# Altium PCB ALCT_MEZ_SPARTAN6T.PcbDoc (part 3 of 12)
Units mil, origin at the board's own origin, x right, y up, seen from the top; angles counter-clockwise.
Board outline 4100 x 5351.19 mil, 12 copper layers (Top Layer, Mid-Layer 1, +3V3, Mid-Layer 2, +1V2, Mid-Layer 4, +1V8, Mid-Layer 5, GND1, Mid-Layer 7, GND2, Bottom Layer), stack 64.7 mil thick; 320 components, 598 nets, 2316 pads, 1572 vias.
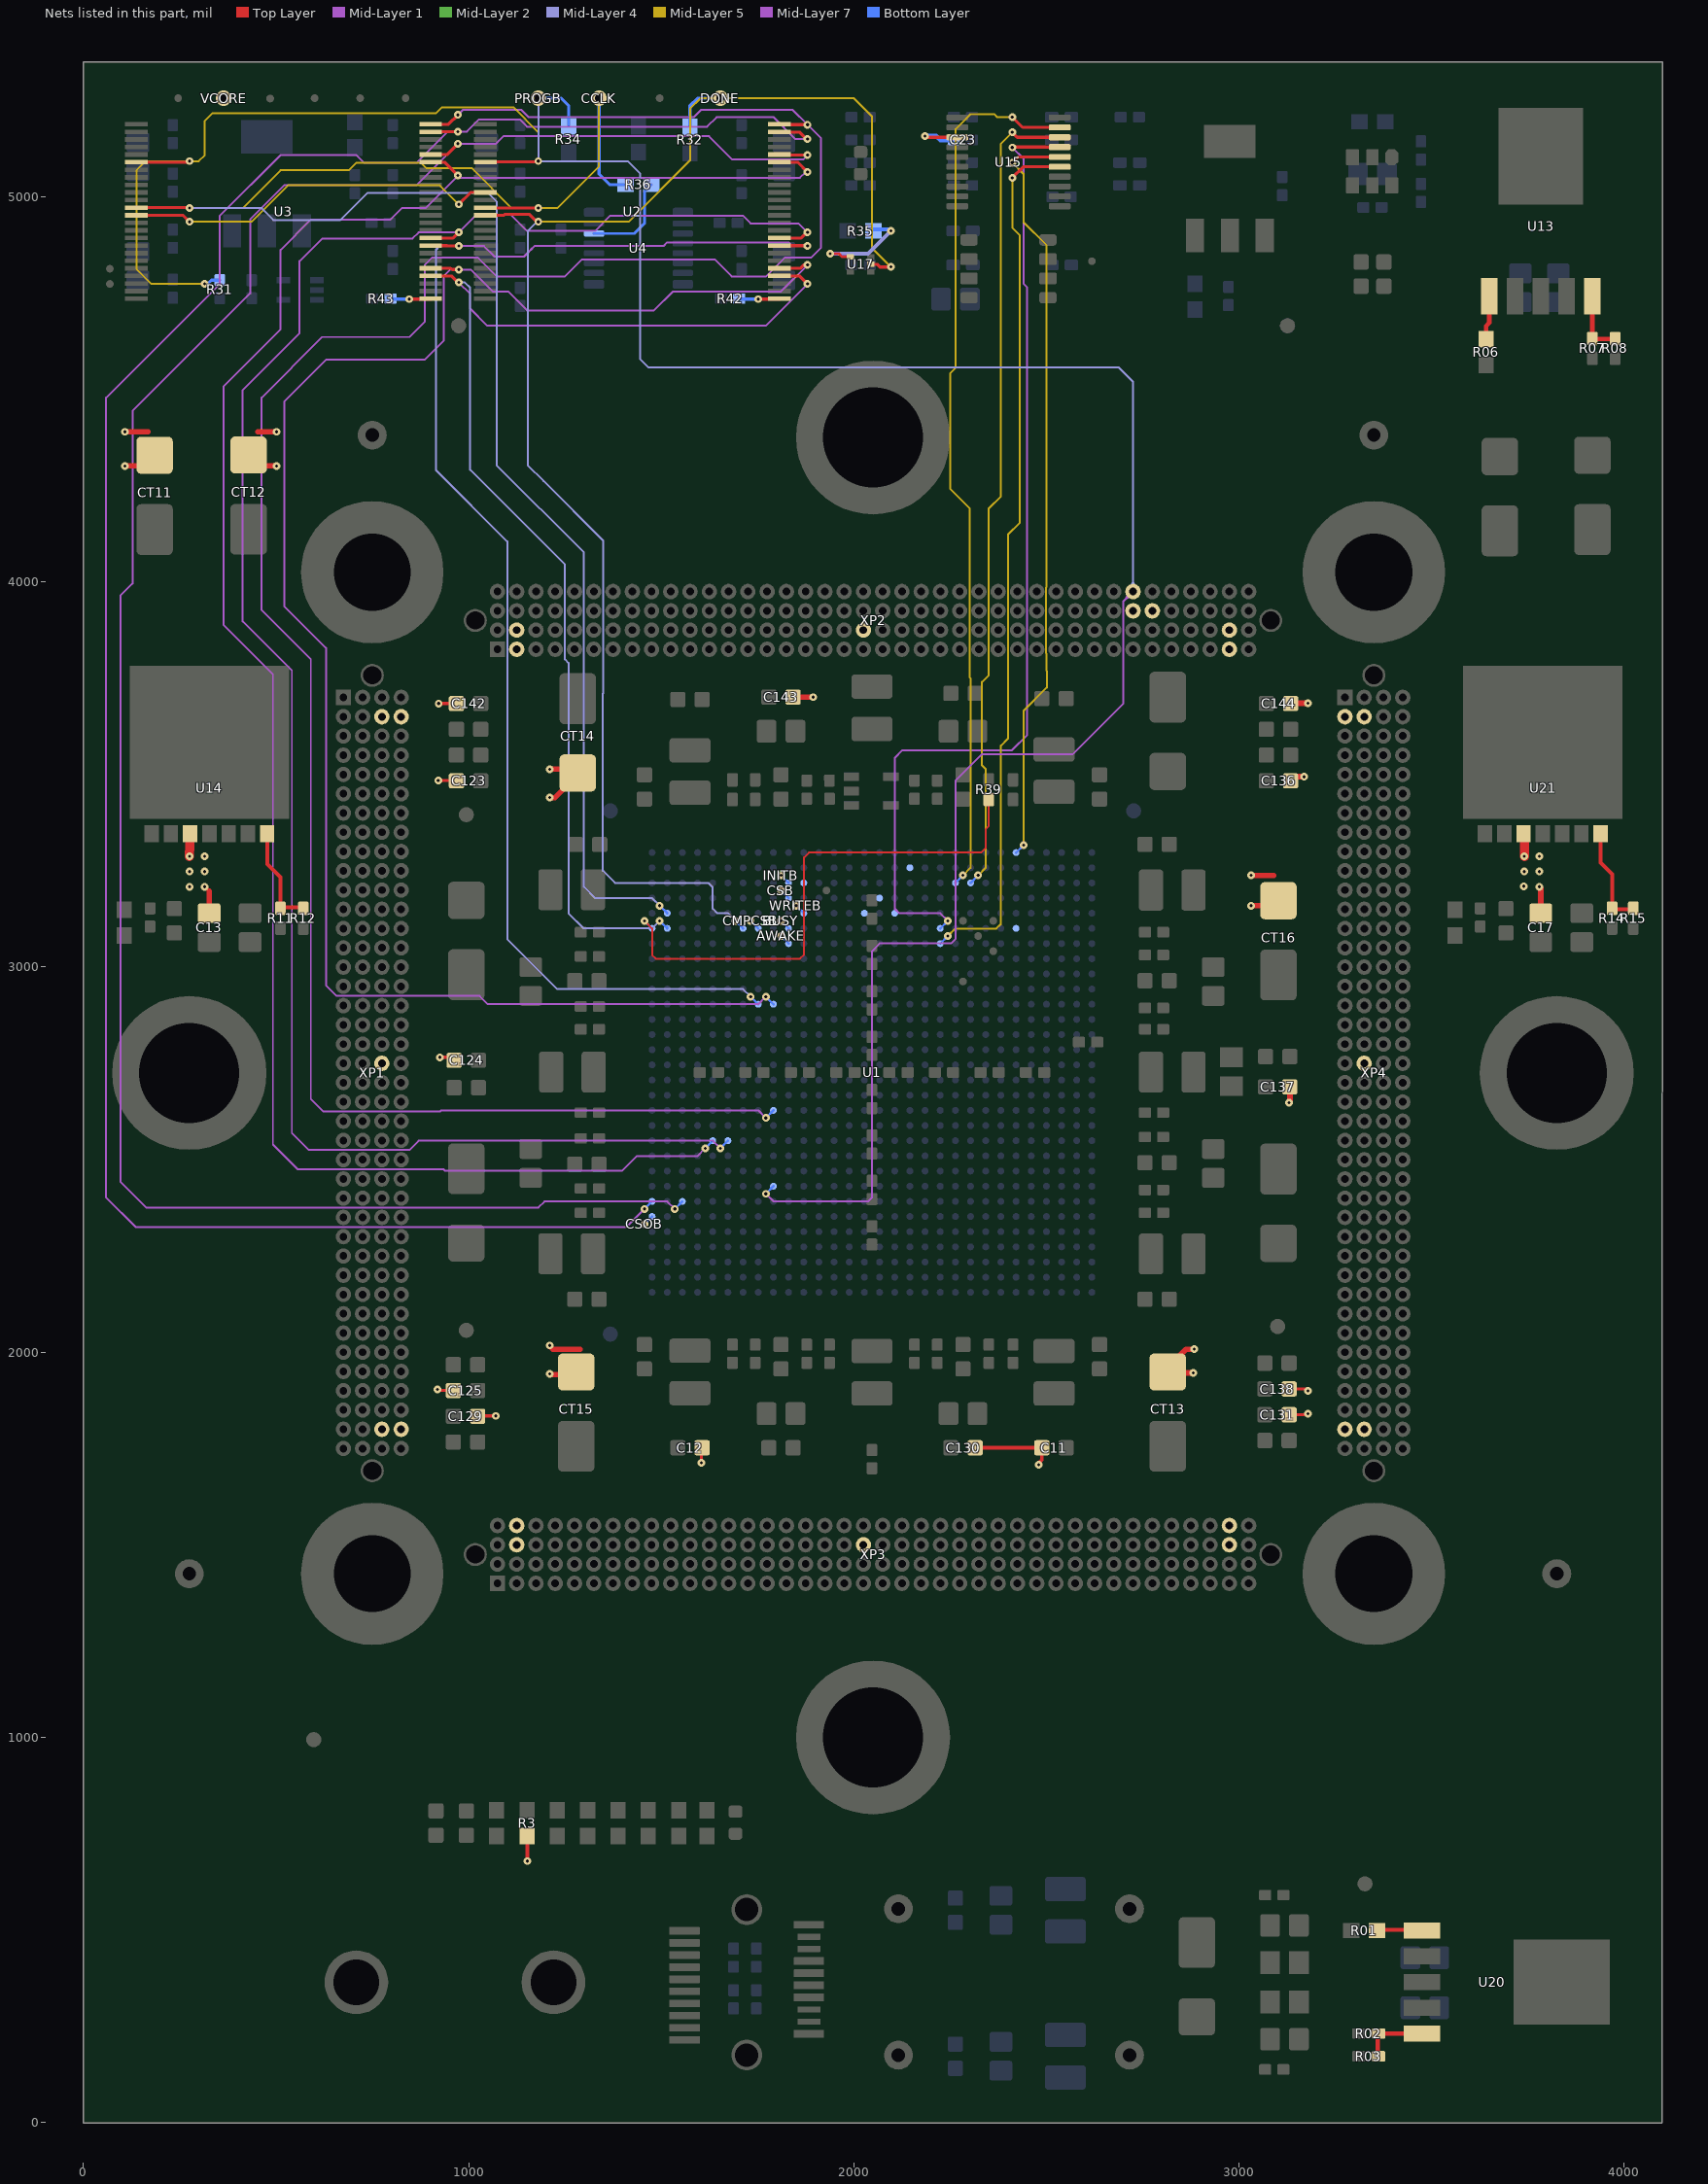
[diagram p13: the nets of this part, all layers, seen from the top]

## Via types
v1: diameter 20, hole 8, Top Layer to Bottom Layer, tented both sides, 1562 vias
v2: diameter 40, hole 20, Top Layer to Bottom Layer, 6 vias
v3: diameter 40, hole 20, Top Layer to Bottom Layer, tented both sides, 4 vias

## Nets (pads, with @x,y where several pads share a name; then routed paths per layer and width w, separated by ;. In a path a pad name is that pad's centre, name@x,y a point inside that pad or via, vN(x,y) a via of type N, cw(c..) or ccw(c..) an arc to the next point about the centre after c; other vN are vias at no path point) (continued)
+VCORE: C11.1 C12.1 C13.1 C17.1 C23.1 C123.1 C124.1 C125.1 C129.1 C130.1 C131.1 C136.1 C137.1 C138.1 C142.1 C143.1 C144.1 CT11.1 CT12.1 CT13.1 CT14.1 CT15.1 CT16.1 R3.1 U14.3 U15.3 U21.3 VCORE.1 XP1.C2 XP1.C20 XP1.C39 XP1.D2 XP1.D39 XP2.A2 XP2.A39 XP2.B2 XP2.B20 XP2.B39 XP3.C2 XP3.C20 XP3.C39 XP3.D2 XP3.D39 XP4.A2 XP4.A39 XP4.B2 XP4.B20 XP4.B39 | length 2156.9
  Top Layer w8: v1(919.29,1903.54) 922.05,1900.79 C125.1@960.63,1900.79 ; v1(921.26,3484.25) 967.72,3484.25 C123.1@968.5,3483.46 ; v1(922.44,3684.25) C142.1@968.5,3684.25 ; v1(925.2,2765.75) 961.42,2765.75 C124.1@968.5,2758.66 ; C129.1@1023.62,1833.86 1024.41,1834.65 v1(1070.87,1834.65) ; v1(1604.33,1712.6) 1604.33,1750 C12.1@1606.3,1751.97 ; v1(2185.04,5157.48) 2187.99,5154.53 U15.3@2268.7,5154.53 ; C131.1@3129.92,1837.8 3176.38,1837.8 v1(3179.13,1840.55) ; C138.1@3129.92,1904.72 3174.02,1904.72 v1(3179.13,1899.61) ; C144.1@3133.86,3684.25 v1@3178.35,3684.25
  Top Layer w10: v1(314.96,3208.66) 326.77,3196.85 ; v1(1152.36,678.98) R3.1@1152.36,734.09 ; C130.1@2314.96,1751.97 C11.1@2488.19,1751.97 2488.19,1720.47 2480.32,1712.6 v1(2480.32,1707.68) ; v1(3779.53,3208.66) v1@3783.46,3204.72
  Top Layer w12: CT11.1@157.48,4301.18 CT11.1@185.04,4328.74 ; CT12.1@429.13,4329.53 CT12.1@457.48,4301.18
  Top Layer w14: v1(108.27,4301.18) CT11.1@157.48,4301.18 ; v1(108.27,4389.76) 167.32,4389.76 ; 452.76,4389.76 v1(501.97,4389.76) ; CT12.1@457.48,4301.18 v1(501.97,4301.18) ; v1@1210.63,1941.44 1269,1941.44 CT15.1@1283.46,1955.91 ; v1(1210.63,2017.71) 1210.63,2015.75 1218.5,2007.87 1289.37,2007.87 ; v1(1210.63,3439.96) 1224.21,3439.96 1229.13,3444.88 CT14.1@1283.46,3499.21 ; v1(1210.63,3513.78) CT14.1@1264.76,3513.78 ; CT13.1@2811.02,1955.91 2862.99,2007.87 v1(2883.86,2007.87) ; CT13.1@2857.48,1946.36 v1(2881.4,1946.36) ; v1(3031.5,3159.45) 3089.37,3159.45 CT16.1@3102.36,3172.44 ; v1(3031.5,3238.19) 3090.55,3238.19
  Top Layer w15: C13.1@326.77,3139.76 326.77,3196.85 ; C143.1@1842.52,3700.79 v1(1894.68,3700.79) ; v1(3129.92,2647.64) 3131.89,2649.61 C137.1@3131.89,2688.98 ; C136.1@3133.86,3483.46 3144.48,3494.09 v1(3169.28,3494.09) ; C144.1@3133.86,3684.25 3134.65,3685.04 v1(3179.13,3685.04) ; C17.1@3783.46,3139.76 v1@3783.46,3204.72
  Top Layer w24.02: v1(275.59,3287.4) U14.3@277.17,3346.46 U14.3@277.17,3356.3 ; v1@3740.95,3287.4 U21.3@3740.95,3346.46
  Bottom Layer w12: v1(2185.04,5157.48) 2214.57,5157.48 2224.41,5147.64 C23.1@2259.84,5147.64
  other v1: 1210.63,1943.9 275.59,3208.66 3739.37,3209.84 275.59,3248.03 314.96,3248.03 3740.16,3248.03 3779.53,3248.03 314.96,3287.4 3740.16,3287.4 3779.53,3287.4
  other v2: 364.17,5255.91
/CEO: U2.10 U3.13 | length 993.4
  Top Layer w8: U3.13@137.8,4951.97 254.72,4951.97 ; 246.06,4951.97 254.72,4951.97 ; v1(275.59,4935.04) 258.66,4951.97 254.72,4951.97 ; v1(974.41,4980.32) 1005.12,5011.02 U2.10@1043.31,5011.02
  Mid-Layer 5 w5: v1(275.59,4935.04) 437.01,4935.04 531.5,5029.53 925.2,5029.53 v1(974.41,4980.32)
/CS: CSB.1 U1.AA27 | length 27.8
  Bottom Layer w6: v1(1811.03,3198.81) U1.AA27@1830.71,3179.13
/INIT: INITB.1 U1.AA28 | length 27.8
  Bottom Layer w6: v1(1811.03,3238.19) U1.AA28@1830.71,3218.5
/PROGR: PROGB.1 R31.2 R34.2 U1.AB8 U2.6 U3.6 XP2.D34 | length 7885.2
  Top Layer w8: U3.6@137.8,5089.76 138.32,5089.24 272.31,5089.24 v1(275.59,5092.52) ; U2.6@1043.44,5089.9 U2.6@1043.31,5089.76 1043.31,5090.9 1177.21,5090.9 1178.35,5089.76 v1(1181.1,5092.52)
  Mid-Layer 1 w5: v1(1771.66,2411.41) 1791.34,2391.73 2037.4,2391.73 2047.24,2401.57 2047.24,3041.34 2067.1,3061.2 2252.17,3061.2 2263.66,3072.69 2263.66,3403.77 2263.66,3484.13 2332.49,3552.96 2568.71,3552.96 2700,3684.25 2700,3950 ; 2700,3763.93 2700,3950 ; XP2.D34@2725,3975 2700,3950 ; 2701.95,3951.95 ccw(c2678.91,3975) 2711.5,3975 cw(c2678.91,3975) 2701.96,3951.96 ; 2701.95,3951.95 cw(c2725,3928.91) 2725,3961.5 ccw(c2725,3928.91) 2701.96,3951.96 ; 2710.49,3960.49 ccw(c2695.98,3975) 2716.5,3975 cw(c2695.98,3975) 2710.49,3960.49 ; 2710.49,3960.49 cw(c2725,3945.98) 2725,3966.5 ccw(c2725,3945.98) 2710.49,3960.49
  Mid-Layer 4 w5: v3(1181.1,5255.91) v1(1181.1,5092.52) 1413.39,5092.52 1444.88,5061.02 1444.88,4578.74 1466.54,4557.09 2687.01,4557.09 2725,4519.09 XP2.D34@2725,3975 ; XP2.D34@2715.45,3984.54 ccw(c2692.41,4007.59) 2725,4007.59 ccw(c2757.59,4007.59) XP2.D34@2734.55,3984.54 ; XP2.D34@2715.45,3984.55 ccw(c2692.41,4007.6) 2725,4007.6 ccw(c2757.59,4007.6) XP2.D34@2734.55,3984.55 ; 2725,3995.52 ccw(c2745.52,3995.52) 2731.01,3981.01 cw(c2745.52,3995.52) 2725,3995.52 ; 2725,3995.52 cw(c2704.48,3995.52) 2718.99,3981.01 ccw(c2704.48,3995.52) 2725,3995.52
  Mid-Layer 5 w5: v1(314.96,4773.62) 177.17,4773.62 137.8,4812.99 137.8,5068.9 161.42,5092.52 v1(275.59,5092.52) 299.21,5092.52 314.96,5108.27 314.96,5196.85 334.65,5216.54 915.35,5216.54 930.92,5232.1 1116.33,5232.1 1181.1,5167.32 v1(1181.1,5092.52)
  Bottom Layer w6: v1(1771.66,2411.41) U1.AB8@1791.34,2431.1
  Bottom Layer w8: v1(314.96,4773.62) 322.56,4773.62 332.4,4783.46 R31.2@354.33,4783.46 ; v3(1181.1,5255.91) 1240.16,5255.91 1259.84,5236.22 R34.2@1259.84,5183.07
/WRITE: U1.Y26 WRITEB.1 | length 27.8
  Bottom Layer w6: v1(1850.39,3159.45) U1.Y26@1870.08,3139.76
A0: U1.R27
A1: U1.Y28
A2: U1.N29
A3: U1.T26
A4: U1.P26
A9: U1.F25
ADC_EOC: U1.K28 U15.19 | length 2301.9
  Top Layer w8: v1(2411.42,5206.69) 2437.99,5180.12 U15.19@2534.45,5180.12
  Mid-Layer 5 w5: 2277.56,5188.98 2264.64,5176.06 2264.64,4556.22 2250,4541.58 2250,4242.13 2300.5,4191.63 2300.5,3752.47 2302.97,3750 2302.97,3257.69 v1(2283.47,3238.19) ; 2303.28,5214.69 2364.05,5214.69 2372.05,5206.69 v1(2411.42,5206.69)
  Mid-Layer 5 w5.12: 2277.56,5188.98 2303.28,5214.69
  Bottom Layer w6: U1.K28@2263.78,3218.5 v1(2283.47,3238.19)
ADC_NCS: U1.L24 U15.15 | length 2283.5
  Top Layer w8: v1(2411.42,5049.21) 2439.96,5077.76 U15.15@2534.45,5077.76
  Mid-Layer 2 w5: v1(2244.09,3080.7) v1@2244.09,3085.2
  Mid-Layer 5 w5: v1(2244.09,3080.7) 2263.61,3100.21 2369.93,3100.21 2382.02,3112.29 2382.02,3574.91 2400.5,3593.4 2400.5,4123.07 2430.98,4153.54 ; v1(2411.42,5049.21) 2411.42,4919.56 2430.98,4900
  Mid-Layer 5 w5.12: 2430.98,4153.54 2430.98,4900
  Bottom Layer w6: U1.L24@2224.41,3061.01 v1(2244.09,3080.7)
ADC_SCK: U1.J28 U15.18 | length 2130.1
  Top Layer w8: v1(2411.42,5167.32) 2424.21,5154.53 U15.18@2534.45,5154.53
  Mid-Layer 5 w5: v1(2322.84,3238.19) 2342.52,3257.87 2342.52,3513.78 2332.68,3523.62 2332.68,3740.16 2350.5,3757.98 2350.5,4191.05 2381.89,4222.44 2381.89,5137.8 v1(2411.42,5167.32)
  Bottom Layer w6: U1.J28@2303.15,3218.5 v1(2322.84,3238.19)
ADC_SDI: U1.L25 U15.17 | length 2603.4
  Top Layer w8: v1(2411.42,5127.95) 2412.4,5128.94 U15.17@2534.45,5128.94
  Mid-Layer 7 w5: v1(2244.09,3120.06) 2224.59,3139.56 2118.3,3139.56 2106.49,3151.38 2106.49,3543.49 2125.98,3562.99 2410.63,3562.99 2450,3602.36 2450,4764.75 2441.13,4773.62 2441.13,5098.24 v1(2411.42,5127.95)
  Bottom Layer w6: U1.L25@2224.41,3100.39 v1(2244.09,3120.06)
ADC_SDO: U1.F30 U15.16 | length 1991.3
  Top Layer w8: v1(2411.42,5088.58) 2426.18,5103.35 U15.16@2534.45,5103.35
  Mid-Layer 5 w5: v1(2440.94,3316.93) 2440.94,3665.65 2501.32,3726.02 2501.32,3768.18 2499.82,3769.68 2499.82,3814.12 2499.5,3814.43 2499.5,3985.57 2500,3986.07 2500,4114.17 ; 2440.94,5059.06 2440.94,4934.06 2500,4875
  Mid-Layer 5 w5.12: v1(2411.42,5088.58) 2440.94,5059.06 ; 2500,4114.17 2500,4875
  Bottom Layer w6: U1.F30@2421.26,3297.24 v1(2440.94,3316.93)
AWAKE: AWAKE.1 U1.AA24 | length 27.8
  Bottom Layer w6: v1(1811.03,3080.7) U1.AA24@1830.71,3061.01
BUSY: BUSY.1 U1.AA25 | length 27.8
  Bottom Layer w6: v1(1811.03,3120.06) U1.AA25@1830.71,3100.39
CCLK: CCLK.1 R36.2 U1.AJ26 U2.12 U3.12 | length 4950
  Top Layer w8: U3.12@137.8,4971.65 274.41,4971.65 v1(275.59,4970.47) ; U2.12@1043.31,4970.47 v1@1177.17,4970.47
  Mid-Layer 4 w5: v1(275.59,4970.47) 462.6,4970.47 ; 439.37,4970.47 462.6,4970.47 ; 1072.83,4900.79 1072.83,4921.26 1072.83,4987.8 1050.97,5009.66 737.22,5009.66 667.32,4939.76 493.31,4939.76 462.6,4970.47 ; 1299.21,3395.67 1299.21,3208.66 1328.74,3179.13 1476.38,3179.13 v1(1496.06,3159.45)
  Mid-Layer 4 w5.12: 1072.83,4921.26 1072.83,4303.15 1299.56,4076.43 1299.56,3671.61 1299.21,3671.26 1299.21,3395.67
  Mid-Layer 5 w5: v1(275.59,4970.47) 413.39,4970.47 511.81,5068.9 688.98,5068.9 708.66,5088.58 875.98,5088.58 889.95,5074.62 1008.06,5074.62 1112.2,4970.47 v1(1181.1,4970.47) 1230.32,4970.47 1338.58,5078.74 v3(1338.58,5255.91)
  Bottom Layer w6: v1(1496.06,3159.45) U1.AJ26@1515.75,3139.76
  Bottom Layer w8: v3(1338.58,5255.91) 1338.58,5059.06 1366.14,5031.5 R36.2@1407.48,5031.5 R36.2@1415.35,5031.5
CK20: R36.1 U4.14 | length 249.6
  Bottom Layer w7: U4.14@1325.79,4904.53 1430.12,4904.53 1456.69,4931.1 1456.69,5013.78 R36.1@1474.41,5031.5
CMPCS_B: CMPCSB.1 U1.AC25 | length 27.8
  Bottom Layer w6: v1(1732.29,3120.06) U1.AC25@1751.98,3100.38
CSI_B: R39.1 U1.AK25 | length 1391.1
  Top Layer w5: v1(1456.69,3120.08) 1476.58,3100.19 1476.58,3031.3 1486.22,3021.65 1860.24,3021.65 1870.89,3032.31 1870.89,3284.85 1883.47,3297.43 2330.91,3297.43 2342.7,3309.22 2342.7,3358.45 2350.39,3366.14 R39.1@2350.39,3435.04
  Mid-Layer 7 w5.12: v1(1456.69,3120.08) v1@1456.76,3120.01
  Bottom Layer w6: v1(1456.69,3120.08) U1.AK25@1476.38,3100.39
CSO_B: CSOB.1 U1.AK6 | length 27.8
  Bottom Layer w6: v1(1456.69,2332.68) U1.AK6@1476.38,2352.36
D0: U1.AJ25 U2.28 U3.28 | length 3236.3
  Top Layer w8: U3.28@901.57,4794.49 955.51,4794.49 v1@972.44,4777.56 ; U2.28@1807.09,4794.49 1859.06,4794.49 v1(1879.92,4773.62)
  Mid-Layer 4 w5.12: v1(974.41,4777.56) 990.16,4777.56 1003.94,4763.78 1003.94,4291.34 1250,4045.28 1250,3799.21 1259.72,3789.5 1259.72,3139.89 1299.09,3100.52 1476.53,3100.52 v1(1496.08,3120.07)
  Mid-Layer 7 w5: 1003.94,4709.65 1048.23,4665.35 1771.65,4665.35 v1(1879.92,4773.62)
  Mid-Layer 7 w5.12: v1(974.41,4777.56) 1003.94,4748.03 1003.94,4709.65
  Bottom Layer w6: v1(1496.08,3120.07) U1.AJ25@1515.75,3100.39 U1.AJ25@1515.76,3104.32
D1: U1.AB20 U2.29 U3.29 | length 4600.4
  Top Layer w8: U3.29@901.57,4814.17 953.54,4814.17 956.69,4811.02 v1(974.41,4811.02) ; U2.29@1807.09,4814.17 1861.42,4814.17 1870.08,4822.83 v1(1879.92,4822.83)
  Mid-Layer 7 w5: v1(1771.67,2923.19) 1752.02,2903.54 1050,2903.54 1028.54,2925 850,2925 657.68,2925 629.92,2952.76 629.92,3828.74 521.65,3937.01 521.65,4468.5 629.92,4576.77 885.83,4576.77 935.04,4625.98 935.04,4793.31 952.76,4811.02 v1(974.41,4811.02) 1005.91,4811.02 1062.99,4753.94 1102.36,4753.94 1151.57,4704.72 1481.3,4704.72 1530.33,4753.75 1810.84,4753.75 v1(1879.92,4822.83)
  Bottom Layer w6: v1(1771.67,2923.19) U1.AB20@1791.34,2903.51
D2: U1.AC20 U2.32 U3.32 | length 3747.6
  Top Layer w8: U3.32@901.57,4873.23 943.7,4873.23 944.88,4872.05 v1(974.41,4872.05) ; U2.32@1807.09,4873.23 1878.74,4873.23 v1(1879.92,4872.05)
  Mid-Layer 4 w5.12: v1(974.41,4872.05) 925.2,4872.05 915.35,4862.2 915.35,4290.21 1100.44,4105.12 1100.44,3072.79 1230.44,2942.79 1653.5,2942.79 ; v1(1732.3,2923.19) 1712.74,2942.75 1653.54,2942.75 ; 1653.5,2942.79 1653.54,2942.75
  Mid-Layer 7 w5.12: v1(974.41,4872.05) 1040.03,4872.05 1067.46,4844.61 1143.83,4844.61 1171.13,4871.92 ; 1161.42,4862.2 1171.13,4871.92 ; v1(1879.92,4872.05) 1840.55,4872.05 1830.83,4881.76 1515.75,4881.76 1505.91,4871.92 1171.13,4871.92
  Bottom Layer w6: v1(1732.3,2923.19) U1.AC20@1751.98,2903.51
D3: U1.AE11 U2.33 U3.33 | length 5129.8
  Top Layer w8: U3.33@901.57,4892.91 959.84,4892.91 v1(974.41,4907.48) ; U2.33@1807.09,4892.91 1863.38,4892.91 v1@1877.94,4907.48
  Mid-Layer 7 w5: v1(1653.56,2529.53) 1634.06,2549.03 870.48,2549.03 846.46,2525 585.24,2525 541.34,2568.9 541.34,3769.68 413.39,3897.64 413.39,4498.03 561.02,4645.67 561.02,4832.68 620.26,4891.92 854.53,4891.92 870.1,4907.48 v1(974.41,4907.48) 1019.5,4952.57 1110.44,4952.57 1151.59,4911.42 1328.74,4911.42 1368.11,4950.79 1712.41,4950.79 1732.28,4930.92 1856.48,4930.92 v1(1879.92,4907.48)
  Bottom Layer w6: v1(1653.56,2529.53) U1.AE11@1673.23,2549.21
D4: U1.AF11 U2.43 U3.43 | length 5265
  Top Layer w8: U3.43@901.57,5089.76 937.8,5089.76 v1(972.44,5055.12) ; U2.43@1807.09,5089.76 1854.13,5089.76 v1(1879.92,5063.98)
  Mid-Layer 7 w5: v1(1614.18,2529.53) 1594.37,2509.72 1437.01,2509.72 1397.95,2470.66 939.38,2470.66 935.04,2475 556.5,2475 492.13,2539.37 492.13,3759.84 364.17,3887.8 364.17,4507.87 511.81,4655.51 511.81,4862.2 590.55,4940.94 797.24,4940.94 826.96,4970.66 887.98,4970.66 v1(972.44,5055.12) 978.16,5049.4 1161.23,5049.4 1161.42,5049.21 1860.24,5049.21 1875,5063.98 v1(1879.92,5063.98)
  Bottom Layer w6: v1(1614.18,2529.53) U1.AF11@1633.86,2549.21
D5: U1.AH7 U2.44 U3.44 | length 5867.2
  Top Layer w8: U3.44@901.57,5109.45 944.09,5109.45 v1(972.44,5137.8) ; U2.44@1807.07,5108.27 v1@1877.95,5108.27
  Mid-Layer 7 w5: 900,2375.44 899.56,2375 164.37,2375 96.5,2442.87 96.5,3964.61 127.95,3996.06 127.95,4443.9 433.07,4749.02 433.07,4940.94 521.65,5029.53 864.17,5029.53 v1(972.44,5137.8) 1070.85,5137.8 1090.35,5157.3 1624.02,5157.3 1684.67,5096.64 1868.3,5096.64 v1(1879.92,5108.27) ; 1181.1,2375.44 1197.27,2391.61 1515.88,2391.61 v1(1535.44,2372.04)
  Mid-Layer 7 w5.12: 900,2375.44 1181.1,2375.44
  Bottom Layer w6: v1(1535.44,2372.04) U1.AH7@1555.12,2391.73
D6: U1.AK7 U2.47 U3.47 | length 5984.4
  Top Layer w8: U3.47@901.57,5168.5 971.65,5168.5 v1(972.44,5169.29) ; U2.47@1807.07,5167.32 1860.23,5167.32 v1@1877.95,5149.61
  Mid-Layer 7 w5: 900,2325.44 899.56,2325 135.63,2325 59.06,2401.57 59.06,4478.35 354.33,4773.62 354.33,4950.79 511.63,5108.08 708.66,5108.08 728.16,5088.58 866.14,5088.58 946.85,5169.29 v1(972.44,5169.29) 996.06,5169.29 1027.36,5200.59 1133.07,5200.59 1151.57,5182.09 1619.28,5182.09 1643.7,5206.51 1673.04,5206.51 1673.23,5206.69 1791.34,5206.69 1848.43,5149.61 v1(1879.92,5149.61)
  Mid-Layer 7 w5.12: 900,2325.44 1410.09,2325.44 v1(1456.69,2372.05)
  Bottom Layer w6: v1(1456.69,2372.05) U1.AK7@1476.38,2391.73
D7: U1.AB13 U2.48 U3.48 | length 6327.2
  Top Layer w8: U3.48@901.57,5188.19 948.03,5188.19 ; 935.04,5188.19 948.03,5188.19 ; v1(972.44,5212.6) 948.03,5188.19 ; U2.48@1807.07,5187.01 v1@1877.95,5187.01
  Mid-Layer 7 w5: v1(972.44,5212.6) 985.54,5225.69 1136.81,5225.69 1155.81,5206.69 1584.65,5206.69 1603.65,5225.69 1841.24,5225.69 v1(1879.92,5187.01) 1914.37,5152.56 1914.37,4867.13 1889.76,4842.52 1821.84,4842.52 1772.63,4793.31 1683.07,4793.31 1638.78,4837.6 1294.29,4837.6 1250.18,4793.49 1072.65,4793.49 1023.62,4842.52 905.51,4842.52 885.83,4822.83 885.83,4675.2 846.46,4635.83 620.08,4635.83 462.6,4478.35 462.6,3927.17 590.55,3799.21 590.55,2657.48 623.03,2625 926.03,2625 928.8,2627.77 1752.15,2627.77 v1(1771.66,2608.26) ; v1@1877.95,5187.01 v1@1878.94,5186.02
  Bottom Layer w6: v1(1771.66,2608.26) U1.AB13@1791.34,2627.95
DONE: DONE.1 R32.2 U1.AD25 U2.13 U17.2 | length 4086.5
  Top Layer w8: U2.13@1043.31,4951.97 1043.31,4952.07 1091.66,4952.07 1093.66,4954.07 1158.13,4954.07 v1@1177.17,4935.04 ; U17.2@2044.29,4824.8 2060.81,4824.8 2068.2,4817.41 v1@2095.95,4817.41
  Mid-Layer 4 w5: v1@1177.17,4935.04 1153.54,4911.42 1153.54,4303.15 1194.88,4261.81 ; 1348.56,3435.03 1348.43,3434.9 1348.43,3249.98 1379.9,3218.5 1622.06,3218.5 1633.68,3206.89 1633.68,3151.75 1645.48,3139.95 1673.04,3139.95 v1(1692.93,3120.06)
  Mid-Layer 4 w5.12: v1@1177.17,4935.04 v1(1181.1,4935.04) ; 1194.88,4261.81 1349.56,4107.13 1349.56,3711.63 1348.56,3710.63 1348.56,3435.03
  Mid-Layer 5 w5: 1387.8,4935.04 1415.35,4935.04 1574.8,5094.49 1574.8,5228.35 1602.36,5255.91 v3(1653.54,5255.91)
  Mid-Layer 5 w5.12: v1(1181.1,4935.04) 1387.8,4935.04 ; v3(1653.54,5255.91) 2000,5255.91 2047.24,5208.66 2047.24,4867.13 v1(2096.46,4817.91)
  Bottom Layer w6: v1(1692.93,3120.06) U1.AD25@1712.6,3100.39
  Bottom Layer w8: R32.2@1574.8,5181.1 1574.8,5236.22 1594.49,5255.91 v3(1653.54,5255.91)
DONE2: R35.1 U17.4 | length 284.3
  Top Layer w8: v1(1938.98,4852.36) 1961.12,4852.36 1969,4844.49 U17.4@1991.14,4844.49
  Mid-Layer 4 w10: v1(1938.98,4852.36) 2037.4,4852.36 v1(2096.46,4911.42)
  Bottom Layer w10: R35.1@2051.18,4915.35 2092.52,4915.35 v1(2096.46,4911.42)
DXN: XP2.C35
DXP: XP2.C34
EN18: R06.2 U13.1 | length 117.4
  Top Layer w11.81: R06.2@3641.73,4628.74 R06.2@3641.73,4629.92 3641.73,4664.17 3649.61,4672.05 U13.1@3649.61,4742.01 U13.1@3649.61,4742.91
EN25_SFP: R01.2 U20.1 | length 114.2
  Top Layer w10: R01.2@3358.27,500.79 U20.1@3472.44,500.79
en_ext_sel: R42.2 U2.25 | length 102.4
  Top Layer w8: v1@1748.04,4734.26 U2.25@1807.07,4734.26
  Bottom Layer w8: R42.2@1704.71,4734.25 v1@1748.03,4734.25
  other v1: 1751.97,4734.25
en_ext_sel_2: R43.2 U3.25 | length 102.4
  Top Layer w8: v1@842.53,4734.26 v1(846.46,4734.26) U3.25@901.56,4734.26
  Bottom Layer w8: R43.2@799.2,4734.25 v1@842.52,4734.25
FB12: R11.2 R12.1 U14.7 | length 274.2
  Top Layer w10: U14.7@477.17,3356.3 U14.7@477.17,3346.46 477.17,3267.91 511.81,3233.27 511.81,3155.51 R12.1@570.87,3155.51
FB12_MGT: R14.2 R15.1 U21.7 | length 274.2
  Top Layer w10: U21.7@3938.58,3356.3 U21.7@3938.58,3346.46 3938.58,3271.06 3968.5,3241.14 R14.2@3968.5,3152.57 3968.5,3149.61 R15.1@4023.62,3149.61
FB18: R07.2 R08.1 U13.5 | length 171.3
  Top Layer w11.81: U13.5@3917.32,4742.91 U13.5@3917.32,4742.01 3917.32,4630.71 R08.1@3976.38,4630.71
FB25_SFP: R02.2 R03.1 U20.5 | length 172.1
  Top Layer w11.81: R03.1@3360.24,172.05 3360.24,231.1 3470.47,231.1 U20.5@3472.44,233.07